# KiCad board Kristerj.kicad_pcb (continued)
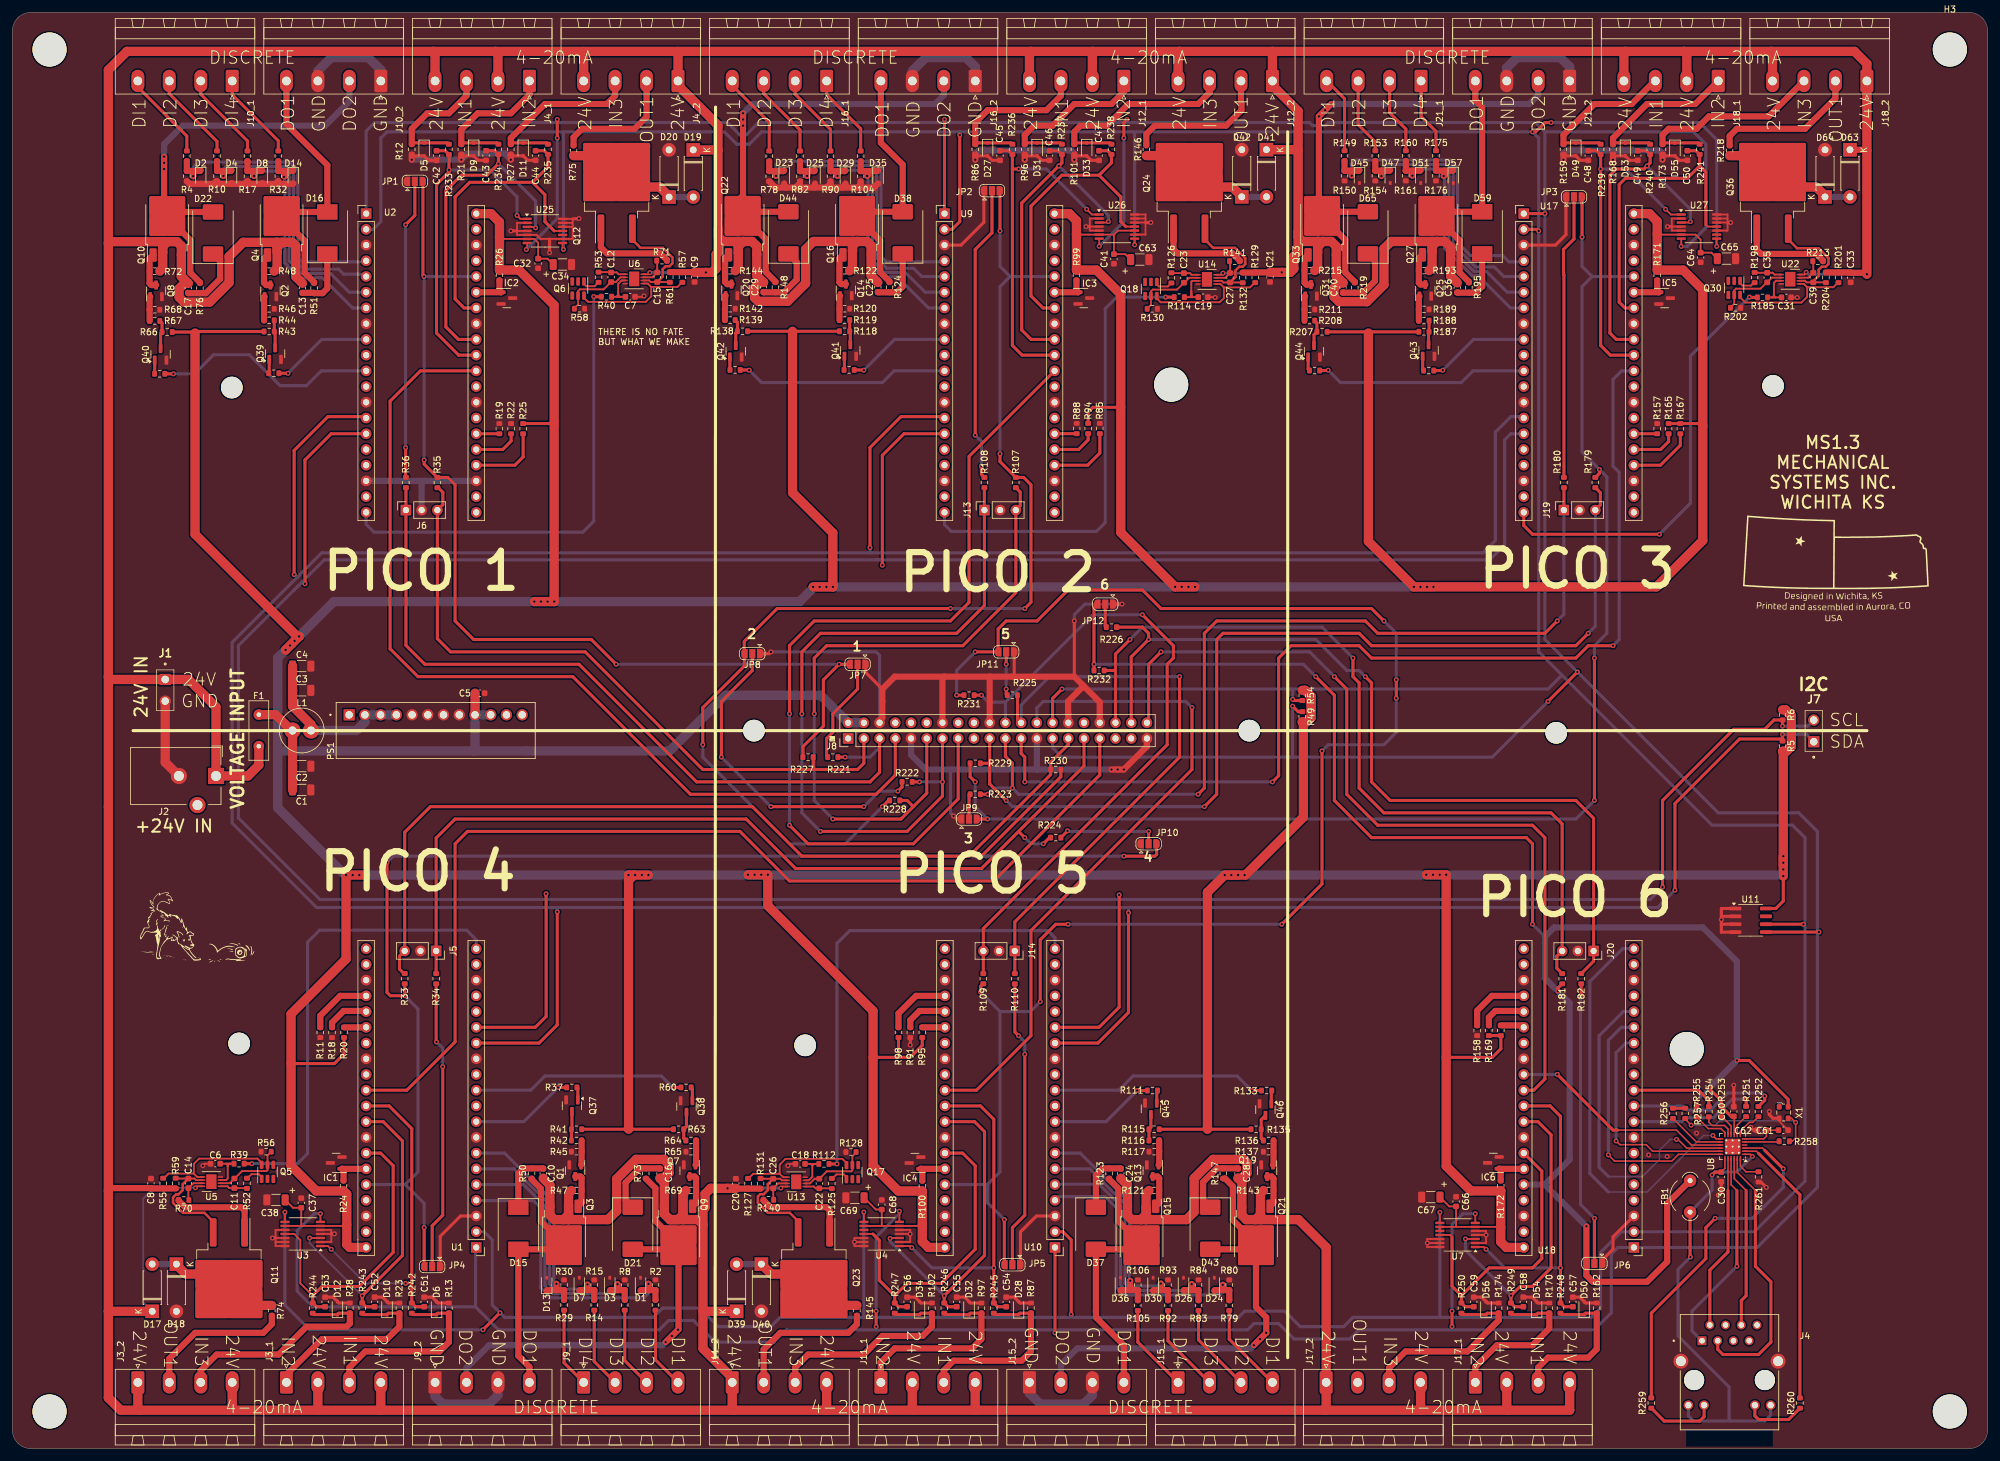
[diagram p0: board, top side]
## Routing (per net, layer and track width the routed paths; a pad name or vN(x,y) marks a point on that pad's centre or on a via; arc(x,y) is an arc through that point) (continued)
Pi5_DI_1: length 14.5
  Top w0.5: R79.1 196.52,17.68 J15_1.4
Pi5_DI_2: length 14.4
  Top w0.5: R83.1 191.56,17.56 J15_1.3
Pi5_DI_3: length 14.4
  Top w0.5: R92.1 186.63,17.41 J15_1.2
Pi5_DI_4: length 14.3
  Top w0.5: R105.1 181.76,17.2 J15_1.1
Pi5_DO1: length 41.7
  Top w1: R123.1 177.12,43.51 178.61,42.02 178.61,36.75 Q15.2 ; J15_2.4 179.5,16.7 175,21.2 175,22.2 174.99,22.21 D37.2 181.71,32.19 Q15.2
Pi5_DO3: length 73.4
  Top w1: D43.2 200.19,32.19 ; v1(200.5,16.7) v1(202.5,18.7) 202.5,21.2 200.84,22.86 Q21.2 ; R147.1 195.85,43.62 197.11,42.37 197.11,36.91 199.31,34.7 Q21.2
  Bottom w1: v1(202.5,18.7) 200,16.2 172,16.2 169.34,13.54 J15_2.2
  vias: v1(201.5,17.7)
Pi5_RST: length 109.6
  Top w0.5: v1(190.5,119.7) 190.5,109.7 164.5,83.7 164.5,66.7 155.69,57.89 U10.30
  Bottom w0.5: 165.45,117.25 165.45,119.65 166.5,120.7 189.5,120.7 v1(190.5,119.7)
Pi5_SWCLK: length 94
  Top w0.5: v1(188.5,124.7) 188.5,111.7 161.89,85.09 J14.1 161.89,76.74 R110.2 ; 162.91,117.25 162.32,117.84 R225.2
  Bottom w0.5: 162.91,117.25 162.91,120.11 167.5,124.7 v1(188.5,124.7)
Pi5_SWDIO: length 109.6
  Top w0.5: R109.1 156.81,80.38 J14.3 156.81,84.01 186.5,113.7 186.5,126.7 187.5,127.7 187.5,129.7 v1(182.5,134.7) ; R231.1 v1(156.5,121.7)
  Bottom w0.5: 160.37,120.57 160.37,117.25 ; 160.37,120.57 174.5,134.7 v1(182.5,134.7) ; 160.37,120.57 157.63,120.57 v1(156.5,121.7)
Pi6_4-20_IN1: length 54.2
  Top w0.3: U7.1 237.63,32.56 v1(238,32.2)
  Top w0.5: 244.09,55.35 248.35,55.35 250.01,53.69 v1(250.01,29.2) R248.2 250.62,22.93 C57.1
  Bottom w0.5: v1(238,32.2) 241,29.2 v1(250.01,29.2)
Pi6_4-20_IN2: length 52.4
  Top w0.3: v1(234.67,33.87) U7.3
  Top w0.5: U18.32 246.38,52.81 248.5,50.7 248.5,29.2 245.5,26.2 243.5,26.2 v1(242.01,24.71) R249.2 242.62,22.93 C58.1
  Bottom w0.5: v1(234.67,33.87) 234.67,32.06 v1(242.01,24.71)
Pi6_4-20_IN3: length 49.4
  Top w0.3: U7.11 232.19,34.51 232.5,34.2
  Top w0.5: 234.01,24.71 238.5,29.2 245.5,29.2 247,30.7 247,44.82 U18.34 ; 234.01,24.71 R250.2 234.62,22.93 C59.1 ; 234.01,24.71 232.5,26.23 232.5,34.2
Pi6_RST: length 139.9
  Top w0.5: v1(185.5,128.7) 183.5,126.7 183.5,117.52 183.23,117.25 ; U18.30 245.69,57.89 247.5,59.7 247.5,98.7 245.5,100.7 220.5,100.7 215.5,105.7 215.5,122.7 v1(213.5,124.7)
  Bottom w0.5: v1(213.5,124.7) 209.5,128.7 v1(185.5,128.7)
Pi6_SWCLK: length 140.3
  Top w0.5: R226.2 182.5,132.7 183.5,131.7 v1(183.5,130.7) 180.69,127.89 180.69,117.25 ; v1(218.5,124.7) 219.5,123.7 219.5,107.7 222.5,104.7 252.5,104.7 255.37,101.83 J20.1 255.37,78.73 R182.2
  Bottom w0.5: v1(183.5,130.7) 210.5,130.7 215.5,125.7 217.5,125.7 v1(218.5,124.7)
Pi6_SWDIO: length 136.6
  Top w0.5: 178.15,125.7 178.15,117.25 ; 178.15,125.7 178.15,128.35 v1(180.5,130.7) ; 178.15,125.7 R232.1 ; v1(216.5,127.7) 216.5,124.7 217.5,123.7 217.5,106.7 221.5,102.7 248.5,102.7 250.29,100.91 J20.3 249.44,79.53 249.43,79.53 249.43,79.53 249.43,77.6 R181.1
  Bottom w0.5: v1(216.5,127.7) 211.5,132.7 182.5,132.7 v1(180.5,130.7)
R_RXCLK: length 2
  Top w0.5: R256.2 R257.2
RX0: length 20.8
  Top w0.5: R251.2 280,55.3 v1(280,56.45)
  Bottom w0.5: U18.9 269.62,52.81 270.25,53.45 274.75,53.45 277.75,56.45 v1(280,56.45)
RX1: length 24.8
  Top w0.5: R252.2 283,56.28 v1(283,56.95)
  Bottom w0.5: 261.87,55.35 269.85,55.35 270.5,54.7 274.25,54.7 277,57.45 282.5,57.45 v1(283,56.95)
SCL-0: length 959.3
  Top w0.3: v1(275.25,194.2) U27.8 ; v1(181.25,194.45) U26.8 ; U3.8 44.02,38.18 v1(44,38.2) ; v1(89,193.7) 88.86,193.84 U25.8 ; v1(230.53,38.17) U7.8 ; U4.8 137.52,38.18 v1(137.5,38.2)
  Top w0.5: v1(246.5,196.7) 246.25,196.95 U17.2 ; v1(153,212.2) 153,198.2 151.75,196.95 U9.2 ; v1(248.5,214.2) 247.5,214.2 246,212.7 v1(245.5,212.7) ; 167.99,117.25 167.99,121.19 v1(169.5,122.7) ; v1(171,21.7) 171,33.7 169.67,35.03 U10.2 ; v1(289.25,84.7) 289.24,84.71 U11.6 ; v1(206.77,121.03) 206.96,120.84 R54.1 ; v1(76,19.2) v1(78.75,21.95)
  Bottom w0.5: 289.5,84.7 289.5,43.2 281.33,35.03 U18.2 259.83,35.03 256.5,31.7 256.5,22.7 255,21.2 230.5,21.2 ; 289.5,84.7 289.5,98.7 287.5,100.7 274.5,100.7 246.5,128.7 v1(246.5,196.7) 246.5,211.7 v1(245.5,212.7) 181,212.7 ; 289.5,84.7 v1(289.25,84.7) ; v1(44,38.2) 44,23.2 48,19.2 v1(76,19.2) ; v1(169.5,122.7) 206.5,122.7 ; 206.5,122.7 206.77,122.42 v1(206.77,121.03) 206.86,121.03 ; 206.5,122.7 248,122.7 250.25,124.95 ; v1(137.5,38.2) 137.5,21.2 ; 137.5,21.2 124,21.2 122.5,19.7 114,19.7 111,22.7 105,22.7 103.5,21.2 79.5,21.2 v1(78.75,21.95) 77.5,23.2 77.5,33.7 76.16,35.03 U1.2 ; 137.5,21.2 198,21.2 199,22.2 205.5,22.2 208,19.7 215,19.7 216.5,21.2 230.5,21.2 ; 230.5,21.2 230.53,21.23 v1(230.53,38.17) ; U2.2 58.25,196.95 59.5,198.2 59.5,211.7 60.5,212.7 89,212.7 ; v1(275.25,194.2) 275.25,211.45 272.5,214.2 v1(248.5,214.2) ; 89,212.7 115,212.7 117,210.7 119,210.7 121,212.7 153,212.7 ; 89,212.7 v1(89,193.7) ; v1(171,21.7) 171,21.2 ; v1(181.25,194.45) 181.25,212.45 181,212.7 ; 181,212.7 153,212.7 ; 153,212.7 v1(153,212.2)
SDA-0: length 983.9
  Top w0.3: v1(83,193.7) 83.14,193.84 U25.7 ; v1(175.52,194.22) U26.7 ; v1(269.5,194.2) 269.52,194.22 U27.7 ; v1(236.26,37.94) U7.7 ; v1(49.75,37.95) U3.7 ; v1(143.25,38.35) U4.7
  Top w0.5: v1(168.38,18.7) U10.1 ; v1(252.75,125.45) v1(248,120.7) ; v1(291.75,83.44) U11.5 ; v1(139.5,22.2) v1(139.5,19.7) ; R49.1 207.65,119.04 v1(206.76,119.93) ; U9.1 v1(150.54,214.7) ; 244.08,198.88 U17.1 v1(247.5,199.5) ; v1(88,211.7) v1(88,214.7) ; v1(179.5,211.7) 179.5,214.2 v1(180,214.7) ; v1(232.5,22.2) v1(232.5,19.7)
  Bottom w0.5: v1(88,211.7) 88,198.7 v1(83,193.7) ; 139.5,19.2 125,19.2 123,17.2 113.5,17.2 110,20.7 106,20.7 104.5,19.2 78.5,19.2 74.8,22.9 ; 139.5,19.2 v1(139.5,19.7) ; 139.5,19.2 168.5,19.2 ; 247.5,199.7 247.5,212.7 ; 247.5,199.7 v1(247.5,199.5) ; 247.5,199.7 247.5,130.7 v1(252.75,125.45) 275.5,102.7 288.5,102.7 291.5,99.7 291.5,83.45 ; v1(179.5,211.7) 179.5,198.2 v1(175.52,194.22) ; U1.1 74.8,32.38 74.8,22.9 ; 74.8,22.9 48.5,22.9 46,25.4 46,35.2 48.75,37.95 v1(49.75,37.95) ; v1(236.26,37.94) 234.24,37.94 232.5,36.2 v1(232.5,22.2) ; 247.5,212.7 246,214.2 212.5,214.2 212,213.7 210,213.7 209.5,214.2 180,214.2 ; 247.5,212.7 271.5,212.7 273.5,210.7 273.5,197.2 270.5,194.2 v1(269.5,194.2) ; 180,214.2 150.5,214.2 ; 180,214.2 v1(180,214.7) ; 150.5,214.2 150.5,214.66 v1(150.54,214.7) ; 150.5,214.2 120.5,214.2 118.5,212.2 117.5,212.2 115.5,214.2 88,214.2 ; J8.27 167.99,113.21 169.5,111.7 206.76,111.7 ; 88,214.2 58.51,214.2 57.13,212.82 U2.1 ; 88,214.2 v1(88,214.7) ; 206.76,111.7 239,111.7 v1(248,120.7) ; 206.76,111.7 v1(206.76,119.93) ; v1(143.25,38.35) 143.25,37.95 139.5,34.2 v1(139.5,22.2) ; 232.5,19.2 255.5,19.2 258.23,21.93 258.23,31.43 259.3,32.5 U18.1 281.8,32.5 291.5,42.2 291.5,83.45 ; 232.5,19.2 v1(232.5,19.7) ; 232.5,19.2 217.5,19.2 216,17.7 207,17.7 204.5,20.2 200.5,20.2 199.5,19.2 168.5,19.2 ; 168.5,19.2 168.5,18.81 v1(168.38,18.7) ; 291.5,83.45 291.74,83.45 v1(291.75,83.44)
TX0: length 35.3
  Top w0.25: v1(259,49.7) 259.6,49.1 263.85,49.1 264.91,48.04 U8.17
  Bottom w0.5: v1(259,49.7) 259,63.95 260.56,65.51 U18.14
TX1: length 42.5
  Top w0.25: v1(257.75,47.45) 258.75,46.45 268,46.45 269.09,47.54 U8.18
  Bottom w0.5: U18.15 259.86,68.05 257.75,65.95 v1(257.75,47.45)
TX_EN: length 52.7
  Top w0.25: v1(268.75,49.95) 269,49.95 270.41,48.54 U8.16
  Bottom w0.25: 257.75,43.95 263.25,43.95 266,46.7 266,48.2 267.75,49.95 v1(268.75,49.95)
  Bottom w0.5: 257.75,43.95 256.25,45.45 256.25,66.7 260.14,70.59 U18.16
Net-(C1-Pad2): length 16.1
  Top w1.5: F1.2 42.5,118.56 45.06,116 L1.1 ; 45.25,115.97 C2.2 C1.2
Net-(C3-Pad2): length 27.1
  Top w1.5: L1.2 48.22,116.96 45.25,119.94 C3.2 C4.2
  Bottom w1.5: L1.2 55.56,116 56.93,117.37 PS1.2 PS1.3 PS1.4
Net-(C11-Pad1): length 4.4
  Top w0.3: U5.1 34.74,42.38 35.03,42.08 C11.1 37.84,42.08 R52.2
Net-(C12-Pad1): length 4.4
  Top w0.3: R53.2 96.65,190.04 C12.1 97.62,190 97.91,189.7 U6.1
Net-(C14-Pad2): length 4.5
  Top w0.3: 28.5,40.16 28.42,40.24 C14.2 28.45,42.08 29.25,42.88 U5.7
Net-(C15-Pad2): length 4.5
  Top w0.3: R71.2 104.13,191.82 C15.2 104.11,190 103.31,189.2 U6.7
Net-(C22-Pad1): length 4.4
  Top w0.3: R125.2 132.29,42.05 C22.1 129.71,42.05 129.42,42.34 U13.1
Net-(C23-Pad1): length 4.4
  Top w0.3: U14.1 190.4,189.62 190.14,189.88 C23.1 187.24,189.88 R126.2
Net-(C26-Pad2): length 4.5
  Top w0.3: R140.2 122.88,40.26 C26.2 122.88,42.05 123.68,42.84 U13.7
Net-(C27-Pad2): length 4.5
  Top w0.3: U14.7 195.85,189.12 C27.2 196.64,191.75 R141.2
Net-(C35-Pad1): length 4.5
  Top w0.3: R198.2 281.42,189.94 C35.1 284.29,189.94 284.58,189.65 U22.1
Net-(C39-Pad2): length 4.5
  Top w0.3: R213.2 290.84,191.74 C39.2 290.05,189.15 U22.7
Net-(D5-K): length 22.1
  Top w0.5: R233.1 70.28,210.92 D5.1 64.72,210.92 R12.2
  Top w1: J4_1.3 73.34,218.54 70.5,215.7 67,215.7 64.5,213.2 R12.2
Net-(D6-K): length 31.4
  Top w0.5: R242.1 64.72,21.65 D6.1 68.72,21.88 R13.2 70.28,21.65
  Top w1: R13.2 70.5,17.2 69,15.7 57,15.7 54.42,13.12 J3_1.3
Net-(D9-K): length 24.1
  Top w0.5: R234.1 78.28,210.92 D9.1 72.72,210.92 R21.2
  Top w1: J4_1.1 83.5,218.7 80.5,215.7 75.15,215.7 72.5,213.05 R21.2
Net-(D10-K): length 31.1
  Top w0.5: R23.2 60.72,21.88 D10.1 56.72,21.65 R243.1
  Top w1: R23.2 62.5,19.7 60.5,17.7 50,17.7 44.26,11.96 J3_1.1
Net-(D11-K): length 29.2
  Top w0.5: R235.1 86.28,210.92 D11.1 80.72,210.92 R27.2
  Top w1: J4_2.3 97.34,218.54 96,217.2 86,217.2 80.5,211.7 R27.2
Net-(D12-K): length 37
  Top w0.5: R28.2 52.72,21.88 D12.1 48.72,21.65 R244.1
  Top w1: J3_2.3 30.42,12.62 33,15.2 43,15.2 47.5,19.7 54,19.7 54.5,20.2 R28.2
Net-(D15-K): length 9.8
  Top w1: C10.1 85.68,45.27 R50.2 82.54,45.27 81.71,44.44 81.71,39
Net-(D16-K): length 9.9
  Top w1: C13.1 48.68,186.69 48.72,186.64 50.09,186.64 50.86,187.42 D16.1
Net-(D17-A): length 14.6
  Top w1.5: R74.1 37.97,23.13 Q11.2 ; D18.1 26.49,29.7 27.99,28.2 Q11.2
  Bottom w1: D18.1 D17.2
Net-(D19-A): length 14.6
  Top w1: 102.52,210.39 102.51,210.38
  Top w1.5: D20.1 106.06,202.27 104.54,203.78 100.36,203.78 ; Q12.2 94.59,208.85 R75.1
  Bottom w1: D20.1 109.96,202.17 D19.2
Net-(D21-K): length 11
  Top w1: 100.19,39 99.03,40.14 99.03,42.96 101.34,45.27 R73.2 104.54,45.27 C16.1
Net-(D22-K): length 10.6
  Top w1: C17.1 28.44,186.64 R76.2 31.24,186.64 33.55,188.95 33.55,191.81 D22.1
Net-(D27-K): length 27.7
  Top w0.5: R86.2 155.73,210.92 D27.1 161.27,210.92 R236.1
  Top w1: R86.2 155.5,214.2 157.5,216.2 167,216.2 169.34,218.54 J12_1.3
Net-(D28-K): length 29.6
  Top w0.5: R245.1 158.73,21.65 D28.1 162.73,21.88 R87.2
  Top w1: J11_1.3 150.42,12.62 152,14.2 163,14.2 164.5,15.7 R87.2
Net-(D31-K): length 28.3
  Top w0.5: R237.1 169.27,210.92 D31.1 163.73,210.92 R96.2
  Top w1: R96.2 163.5,212.2 165,213.7 168,213.7 171.5,217.2 177.5,217.2 179.5,219.2 J12_1.1
Net-(D32-K): length 31.4
  Top w0.5: R246.1 150.73,21.65 D32.1 154.73,21.88 R97.2
  Top w1: J11_1.1 140.26,13.96 142.5,16.2 155,16.2 156.5,17.7 R97.2
Net-(D33-K): length 34.5
  Top w0.5: R101.2 171.73,210.92 D33.1 177.27,210.92 R238.1
  Top w1: R101.2 171.5,212.7 172.5,213.7 176.75,213.7 180.25,217.2 191.5,217.2 193.34,219.04 J12_2.3
Net-(D34-K): length 35.6
  Top w0.5: R247.1 142.73,21.65 D34.1 146.73,21.88 R102.2
  Top w1: J11_2.3 126.42,13.12 128.5,15.2 137.5,15.2 140.5,18.2 147,18.2 148.5,19.7 R102.2
Net-(D37-K): length 9.7
  Top w1: C24.1 178.95,45.27 R123.2 176.05,45.27 174.99,44.21 174.99,39
Net-(D38-K): length 9.7
  Top w1: C25.1 139.82,186.78 R124.2 142.86,186.78 143.79,187.71 143.79,193
Net-(D39-A): length 14.6
  Top w1.5: Q23.2 122.56,28.2 D40.1 ; R145.1 132.44,23.13 Q23.2
  Bottom w1: D39.2 D40.1
Net-(D41-A): length 14.6
  Top w1.5: 192.85,203.78 197.01,203.78 198.55,202.25 D42.1 ; Q24.2 187.06,208.87 183.13,208.87
  Bottom w1: D42.1 D41.2
Net-(D43-K): length 11.1
  Top w1: C28.1 197.89,45.27 R147.2 194.51,45.27 192.3,43.06 192.3,40.14 193.45,39
Net-(D44-K): length 10.9
  Top w1: 125.33,193 126.66,191.66 126.66,188.83 124.61,186.78 R148.2 121.36,186.78 C29.1
Net-(D49-K): length 26.1
  Top w0.5: R239.1 256.27,210.92 D49.1 250.73,210.92 R159.2
  Top w1: J18_1.3 265.22,220.92 261.5,217.2 255.5,217.2 250.5,212.2 R159.2
Net-(D50-K): length 24.9
  Top w0.5: R248.1 250.24,21.65 D50.1 254.07,21.88 R162.2
  Top w1: J17_1.3 246.42,13.12 248,14.7 254.5,14.7 255.88,16.07 R162.2
Net-(D53-K): length 28
  Top w0.5: R168.2 258.73,210.92 D53.1 264.27,210.92 R240.1
  Top w1: J18_1.1 271.78,217.2 264,217.2 258.5,211.7 R168.2
Net-(D54-K): length 25.9
  Top w0.5: R170.2 246.39,21.88 D54.1 242.24,21.65 R249.1
  Top w1: J17_1.1 236.26,13.21 239.75,16.7 245.5,16.7 248.21,19.41 R170.2
Net-(D55-K): length 34.1
  Top w0.5: R173.2 266.73,210.92 D55.1 272.27,210.92 R241.1
  Top w1: J18_2.3 283.62,215.2 274,215.2 272,213.2 267.5,213.2 266.5,212.2 R173.2
Net-(D56-K): length 30.6
  Top w0.5: R174.2 238.21,21.88 D56.1 234.24,21.65 R250.1
  Top w1: R174.2 240.03,20.73 235,15.7 225,15.7 222.34,13.04 J17_2.3
Net-(D59-K): length 9.7
  Top w1: C36.1 233.4,186.71 236.37,186.71 237.37,187.72 237.37,193
Net-(D63-A): length 14.7
  Top w1.5: 287.04,203.78 291.33,203.78 292.74,202.38 D64.1 ; Q36.2 281.27,208.85 R218.1
  Bottom w1: D64.1 D63.2
Net-(D65-K): length 10.8
  Top w1: C40.1 214.95,186.71 218.15,186.71 220.06,188.62 220.06,191.84 218.92,193
Net-(J4-PadP10): length 11.5
  Top w0.5: R259.1 266.77,4.45 272.5,4.45 273.21,5.16 J4.P10
Net-(J4-PadP11): length 10
  Top w0.5: R260.1 286.86,4.7 282,4.7 281.41,5.29 J4.P11
Net-(JP1-C): length 48.5
  Top w0.5: v1(63.5,161.7) 63.5,156.94 R36.1 ; v1(63.5,197.7) 65,199.2 JP1.2
  Bottom w0.5: v1(63.5,197.7) v1(63.5,161.7)
Net-(JP2-C): length 48.1
  Top w0.5: v1(155.5,163.7) 155.5,193.7 158.2,196.4 JP2.2 ; R108.1 156.5,157.36 v1(156.5,158.7)
  Bottom w0.5: v1(156.5,158.7) 156.5,162.7 v1(155.5,163.7)
Net-(JP3-C): length 46.6
  Top w0.5: 252.2,202.7 252.2,195.4 250.5,193.7 250.5,189.7 250.57,189.62 R180.1
Net-(JP4-C): length 46.8
  Top w0.5: v1(68.5,65.7) 68.44,65.76 68.44,75.08 ; v1(69.5,61.7) 69.5,37.7 67.8,36 JP4.2
  Bottom w0.5: v1(68.5,65.7) 69.5,64.7 v1(69.5,61.7)
Net-(JP5-C): length 46.9
  Top w0.5: 161.89,75.08 161.89,67.3 v1(162.5,66.7) ; JP5.2 161.5,35.7 163.5,37.7 v1(163.5,63.7)
  Bottom w0.5: v1(163.5,63.7) 163.5,65.7 v1(162.5,66.7)
Net-(JP6-C): length 46.1
  Top w0.5: 253.37,75.08 253.37,73.31 v1(253.25,73.2) ; v1(255.5,37.2) JP6.2
  Bottom w0.5: v1(255.5,37.2) 253.25,39.45 v1(253.25,73.2)
Net-(JP7-C): length 17.1
  Top w0.5: JP7.2 136.5,122.7 132.5,118.7 132.5,115.7 131.5,114.7 131.5,111.88 R221.1
Net-(JP8-C): length 53.4
  Top w0.5: JP8.2 119.5,125.7 114.5,120.7 v1(114.5,111.7) ; v1(143,106.2) 143.68,106.88 R222.1 ; v1(137.5,103.7) v1(122.5,103.7)
  Bottom w0.5: v1(143,106.2) 140,106.2 v1(137.5,103.7) ; v1(122.5,103.7) v1(114.5,111.7)
Net-(JP9-C): length 4.1
  Top w0.5: JP9.2 154.5,105.52 R223.1
Net-(JP10-C): length 16.7
  Top w0.5: v1(170.41,99.79) R224.1 ; JP10.2 v1(183.5,99.7)
  Bottom w0.5: v1(170.41,99.79) 170.5,99.7 v1(183.5,99.7)
Net-(JP11-C): length 7.1
  Top w0.5: JP11.2 v1(160.5,126.7) ; R225.1 160.5,121.88 v1(160.5,122.7)
  Bottom w0.5: v1(160.5,126.7) v1(160.5,122.7)
Net-(JP12-C): length 3.8
  Top w0.5: R226.1 176.5,132.88 JP12.2
Net-(Q1-D): length 6
  Top w1: Q3.1 91.94,39.71 R47.1 91.94,43.75 91.73,43.95 Q1.3
Net-(Q1-G): length 4
  Top w1: Q1.1 91.94,45.93 R45.2 R42.1
Net-(Q2-D): length 5.9
  Top w1: Q4.1 40.63,192.25 R48.1 40.63,188.34 41.01,187.96 Q2.3
Net-(Q2-G): length 3.9
  Top w1: Q2.1 40.65,186 R46.2 R44.1
Net-(Q5A-D): length 20.4
  Top w0.3: R55.1 24.45,43.68 25.2,44.43 29.31,44.43 ; U5.5 29.86,43.88 29.31,44.43 ; Q5.6 40.25,46.18 39.58,46.85 30.15,46.85 29.31,46.01 29.31,44.43
Net-(Q5A-G): length 3.1
  Top w0.3: Q5.1 40.25,43.87 39.79,44.33 38.62,44.33 37.97,43.68 R52.1
Net-(Q5A-S): length 11.7
  Top w0.3: R56.2 41.2,47.37 Q5.5 41.2,44.98 41.05,44.83 37.09,44.83 35.89,43.63 C11.2 35.1,42.88 U5.2
Net-(Q6A-D): length 20.3
  Top w0.3: Q6.6 92.31,185.88 92.97,185.23 102.28,185.23 103.18,186.13 103.18,187.64 ; U6.5 102.62,188.2 103.18,187.64 ; 103.18,187.64 107.41,187.64 108.16,188.39 R57.1
Net-(Q6A-G): length 3.2
  Top w0.3: Q6.1 92.31,188.13 92.68,187.77 94.02,187.77 94.65,188.39 R53.1
Net-(Q6A-S): length 11.6
  Top w0.3: R58.2 90.76,184.2 91.37,184.81 Q6.5 91.37,186.97 91.66,187.27 95.49,187.27 96.67,188.44 C12.2 97.45,188.44 98.2,189.2 U6.2
Net-(Q7-D): length 5.9
  Top w1: Q7.3 110.19,43.95 110.42,43.71 R69.1 110.42,39.71 Q9.1
Net-(Q7-G): length 4
  Top w1: R64.1 R65.2 110.42,45.92 Q7.1
Net-(Q8-G): length 4
  Top w1: Q8.1 22.16,185.99 R68.2 22.16,183.96 22.16,182.16
Net-(Q10-G): length 6
  Top w1: Q10.1 22.16,192.25 R72.1 22.16,188.25 22.46,187.96 Q8.3
Net-(Q11-G): length 15
  Top w1: R70.1 26.84,40.06 27.92,38.99 36.98,38.99 37.51,38.45 Q11.1
Net-(Q11-S): length 19.1
  Top w0.3: R59.1 26.43,43.63 C14.1 29.4,43.63 29.66,43.38 U5.6
  Top w0.4: C14.1 27.52,42.73 27.52,41.77 26.81,41.06 26.42,41.06 25.94,40.58 25.94,39.68 27.54,38.08 31,38.08 32.43,36.66 Q11.3
Net-(Q12-G): length 14.6
  Top w1: R71.1 105.71,191.99 104.63,193.07 96.02,193.07 95.04,194.04 95.04,197.06
Net-(Q12-S): length 19.2
  Top w0.3: R61.1 106.13,188.44 C15.1 103.09,188.44 102.83,188.7 U6.6
  Top w0.4: Q12.3 100.12,195.28 101.44,193.97 105.03,193.97 106.61,192.39 106.61,191.47 106.13,191 105.5,191 105.03,190.51 105.03,189.33 C15.1
Net-(Q13-D): length 5.9
  Top w1: Q13.3 184.95,43.95 185.21,43.69 R121.1 185.21,39.71 Q15.1
Net-(Q13-G): length 4
  Top w1: Q13.1 185.21,45.92 R117.2 R116.1
Net-(Q14-D): length 5.8
  Top w1: Q16.1 133.56,192.28 R122.1 133.56,188.4 133.86,188.11 Q14.3
Net-(Q14-G): length 4
  Top w1: Q14.1 133.57,186.15 R120.2 R119.1
Net-(Q17A-D): length 20.1
  Top w0.3: Q17.6 134.7,46.14 134.04,46.81 124.86,46.81 123.92,45.87 123.92,44.39 ; R127.1 118.88,43.64 119.63,44.39 123.92,44.39 ; 123.92,44.39 124.48,43.84 U13.5
Net-(Q17A-G): length 3.1
  Top w0.3: Q17.1 134.7,43.87 134.28,44.29 133.08,44.29 132.44,43.64 R125.1
Net-(Q17A-S): length 11.7
  Top w0.3: U13.2 128.81,42.84 129.56,43.59 C22.2 130.33,43.59 131.52,44.79 135.49,44.79 135.65,44.96 Q17.5 135.65,47.22 136.26,47.83 R128.2
Net-(Q18A-D): length 20.4
  Top w0.3: 195.65,187.57 195.65,185.85 194.98,185.17 185.45,185.17 184.82,185.8 Q18.6 ; 195.65,187.57 195.1,188.12 U14.5 ; 195.65,187.57 199.88,187.57 200.66,188.34 R129.1
Net-(Q18A-G): length 3.1
  Top w0.3: Q18.1 184.82,188.06 185.16,187.72 186.62,187.72 R126.1
Net-(Q18A-S): length 11.6
  Top w0.3: U14.2 190.06,189.12 189.27,188.33 189.2,188.33 188.1,187.22 184.18,187.22 183.88,186.92 Q18.5 183.88,184.76 183.27,184.16 R130.2
Net-(Q19-D): length 5.9
  Top w1: Q21.1 203.69,39.71 R143.1 203.69,43.64 203.38,43.95 Q19.3
Net-(Q19-G): length 4
  Top w1: R136.1 R137.2 203.69,45.92 Q19.1
Net-(Q20-D): length 5.8
  Top w1: Q22.1 115.09,192.28 R144.1 115.09,188.47 115.45,188.11 Q20.3
Net-(Q20-G): length 4
  Top w1: Q20.1 115.09,186.14 R142.2 115.08,184.12 R139.1
Net-(Q23-G): length 15
  Top w1: Q23.1 131.99,38.5 131.48,39 122.39,39 121.3,40.09 R140.1
Net-(Q23-S): length 19.2
  Top w0.3: U13.6 124.27,43.34 124.01,43.59 C26.1 120.88,43.59 R131.1
  Top w0.4: C26.1 122,42.72 122,41.76 121.33,41.09 120.76,41.09 120.4,40.73 120.4,39.72 122.03,38.09 125.54,38.09 126.9,36.72 Q23.3
Net-(Q24-G): length 14.9
  Top w1: Q24.1 187.53,193.72 188.19,193.06 197.07,193.06 198.22,191.92 R141.1
Net-(Q24-S): length 19.2
  Top w0.3: U14.6 195.31,188.62 195.56,188.37 C27.1 198.64,188.37 R132.1
  Top w0.4: C27.1 197.52,189.25 197.52,190.3 198.14,190.92 198.69,190.92 199.12,191.34 199.12,192.29 197.45,193.96 193.92,193.96 192.61,195.27 Q24.3
Net-(Q25-D): length 5.9
  Top w1: Q27.1 227.14,192.28 227.14,188.32 227.43,188.04 Q25.3
Net-(Q25-G): length 4
  Top w1: Q25.1 227.14,186.07 227.14,182.21
Net-(Q30A-D): length 20.4
  Top w0.3: R201.1 294.82,188.34 294.07,187.59 289.86,187.59 ; 289.86,187.59 289.86,186.06 288.94,185.13 279.86,185.13 279.02,185.97 Q30.6 ; 289.86,187.59 289.3,188.15 U22.5
Net-(Q30A-G): length 3.1
  Top w0.3: Q30.1 279.02,188.23 279.38,187.87 280.8,187.87 281.27,188.34 R198.1
Net-(Q30A-S): length 11.5
  Top w0.3: R202.2 277.47,184.33 278.07,184.94 Q30.5 278.07,187.08 278.36,187.37 282.31,187.37 283.34,188.39 C35.2 284.15,189.15 U22.2
Net-(Q31-D): length 5.9
  Top w1: Q33.1 208.68,192.28 R215.1 208.68,188.35 209,188.04 Q31.3
Net-(Q31-G): length 4
  Top w1: Q31.1 208.68,186.07 R211.2 R208.1
Net-(Q36-G): length 14.9
  Top w1: 292.42,191.81 292.42,191.91 291.34,192.99 282.38,192.99 281.73,193.65 Q36.1
Net-(Q36-S): length 19.2
  Top w0.3: R204.1 292.84,188.39 C39.1 289.76,188.39 289.51,188.65 U22.6
  Top w0.4: Q36.3 286.81,195.32 288.23,193.9 291.7,193.9 293.31,192.29 293.31,191.39 292.84,190.91 292.2,190.91 291.71,190.43 291.71,189.46 290.84,188.59 C39.1
Net-(Q37-B): length 2.1
  Top w0.5: Q37.1 91.32,58.2 R37.2
Net-(Q37-C): length 4.7
  Top w0.5: Q37.3 90.37,51.67 90.28,51.59 90.28,49.77
Net-(Q38-B): length 2.2
  Top w0.5: Q38.1 109.82,58.15 R60.2
Net-(Q38-C): length 4.9
  Top w0.5: Q38.3 108.87,52.04 R63.1 108.42,50.12 R64.2
Net-(Q39-B): length 2.3
  Top w0.5: R38.2 41.48,173.79 Q39.1
Net-(Q39-C): length 4.5
  Top w0.5: Q39.3 42.43,180.31 R43.1 R44.2
Net-(Q40-B): length 2.2
  Top w0.5: R62.2 22.98,173.63 Q40.1
Net-(Q40-C): length 4.7
  Top w0.5: R67.2 24.16,181.81 24.16,180.36 23.93,180.13 Q40.3
Net-(Q41-B): length 2.2
  Top w0.5: Q41.1 134.37,174.3 R113.2
Net-(Q41-C): length 4
  Top w0.5: R119.2 R118.1 135.32,180.39 Q41.3
Net-(Q42-B): length 2.1
  Top w0.5: R134.2 115.87,174.26 Q42.1
Net-(Q42-C): length 4.4
  Top w0.5: Q42.3 116.82,180.22 R138.1 117.09,181.94 R139.2
Net-(Q43-B): length 2.4
  Top w0.5: Q43.1 227.76,174.29 R183.2
Net-(Q43-C): length 3.9
  Top w0.5: Q43.3 228.71,180.32 R187.1 R188.2
Net-(Q44-B): length 2.3
  Top w0.5: Q44.1 209.26,174.36 R205.2
Net-(Q44-C): length 4.4
  Top w0.5: R208.2 210.68,181.86 R207.1 210.21,179.93 Q44.3
Net-(Q45-B): length 2.1
  Top w0.5: Q45.1 184.82,57.72 R111.2
Net-(Q45-C): length 4.3
  Top w0.5: Q45.3 183.87,51.9 R115.1 R116.2
Net-(Q46-B): length 2.2
  Top w0.5: Q46.1 203.32,57.78 R133.2
Net-(Q46-C): length 4.5
  Top w0.5: Q46.3 201.69,53.14 R135.1 201.69,50.12 R136.2
Net-(U1-GP18): length 10.6
  Top w1: U1.24 52.94,73.13 49.72,69.92 R11.2
Net-(U1-GP19): length 7.1
  Top w1: R18.2 51.62,68.82 53.5,70.7 57.03,70.7 U1.25
Net-(U1-GP20): length 3.6
  Top w1: R20.1 57.12,68.05 U1.26
Net-(U2-GP18): length 11.9
  Top w0.5: U2.24 81.16,158.85 82.5,160.2 82.49,160.21 R25.1
Net-(U2-GP19): length 7.4
  Top w0.5: U2.25 79.19,161.39 80.54,162.74 R22.2
Net-(U2-GP20): length 3.7
  Top w0.5: U2.26 R19.2
Net-(U5A-+): length 7.8
  Top w0.3: 34.78,45.6 34.78,43.62 34.53,43.38 U5.3 34.38,43.38 ; 34.78,45.6 34.78,46.02 ; 34.78,45.6 34.78,45.79 ; 34.78,46.02 35.21,46.02 ; 34.78,46.02 34.54,46.02 ; 35.21,46.02 35.78,46.02 ; 35.21,46.02 35.01,46.02 34.78,45.79 ; 34.78,45.79 34.54,46.02 ; 34.54,46.02 C6.1
Net-(U6A-+): length 7.3
  Top w0.3: U6.3 98.41,188.7 97.84,188.12 97.84,186.73 ; 97.84,186.73 97.84,186.34 97.56,186.06 ; 97.84,186.73 97.84,186.32 98.09,186.06 ; 97.84,186.73 97.84,186.06 ; 98.09,186.06 97.84,186.06 ; 98.09,186.06 C7.1 ; 97.84,186.06 97.56,186.06 ; R40.1 96.78,186.06 97.56,186.06
Net-(U8-CRS_DV/MODE2): length 5.3
  Top w0.25: U8.11 277.07,51.63 276.5,52.2 274.5,52.2 273.99,52.71 R254.1
Net-(U8-LED1/REGOFF): length 57
  Top w0.25: U8.3 282.66,48.54 283,48.2
  Top w0.5: v1(286,45.2) 283,48.2 ; v1(275,37.2) 273.5,35.7 273.5,30.7 264.69,21.88 R259.2
  Bottom w0.5: v1(286,45.2) 286,42.2 281,37.2 v1(275,37.2)
Net-(U8-LED2/~{INTSEL}): length 44.7
  Top w0.25: U8.2 281.66,48.04 282,47.7
  Top w0.5: R260.2 288.69,41.01 282,47.7
Net-(U8-MDIO): length 6
  Top w0.25: U8.12 276.57,51.06 275.93,51.7 273.88,51.7 R255.1
Net-(U8-RBIAS): length 4.5
  Top w0.25: R261.2 279.98,44.72 279.07,45.63 U8.24
Net-(U8-RXD0/MODE0): length 3.5
  Top w0.25: R251.1 279.93,53.63 278.57,52.27 U8.8
Net-(U8-RXD1/MODE1): length 4.4
  Top w0.25: U8.7 279.07,51.27 280.5,52.7 281.06,52.7 R252.1
Net-(U8-RXER/PHYAD0): length 3.6
  Top w0.25: R253.1 276.09,53.61 277.57,52.13 U8.10
Net-(U8-RXN): length 28
  Top w0.25: 280,41.7 278.07,43.63 U8.22
  Top w0.5: J4.P6 279.22,23.92 280,24.7 280,41.7
Net-(U8-RXP): length 43.1
  Top w0.25: 281.5,41.7 278.57,44.63 U8.23
  Top w0.5: 281.5,41.7 281.5,29.45 284,26.95 284,17.2 282,15.2 276.25,15.2 275.41,16.04 J4.P3
Net-(U8-TXN): length 28.1
  Top w0.25: U8.20 277.07,41.7
  Top w0.5: J4.P2 274.14,28.84 277.07,31.77 277.07,41.7
Net-(U8-TXP): length 33.5
  Top w0.25: U8.21 277.57,42.63 278.5,41.7
  Top w0.5: 278.5,41.7 v1(278.5,29.45)
  Bottom w0.5: J4.P1 271.25,19.04 271.25,22.2 v1(278.5,29.45)
Net-(U8-VDDCR): length 6.6
  Top w0.25: C61.1 285.22,51.43 C62.2 283.28,50.48 282.84,50.04 U8.6
Net-(U9-GP18): length 11.3
  Top w0.5: R85.2 175.62,160.82 173.65,158.85 U9.24
Net-(U9-GP19): length 7.1
  Top w0.5: R94.1 173.74,162.94 172.19,161.39 U9.25
Net-(U9-GP20): length 3.6
  Top w0.5: U9.26 168.33,163.95 R88.2
Net-(U10-GP18): length 10.9
  Top w1: U10.24 145.94,73.13 143.11,70.31 R98.1
Net-(U10-GP19): length 7.4
  Top w1: U10.25 150.5,70.7 146.5,70.7 145.01,69.21 R91.2
Net-(U10-GP20): length 3.7
  Top w1: R95.1 U10.26
Net-(U13A-+): length 6.7
  Top w0.3: 129.62,45.99 R112.1 ; 129.62,45.99 129.19,45.99 ; 129.62,45.99 129.44,45.99 129.19,45.73 ; 128.81,45.99 128.94,45.99 129.19,45.73 ; 128.81,45.99 C18.1 ; 128.81,45.99 129.19,45.99 ; U13.3 128.6,43.34 129.19,43.93 129.19,45.73 ; 129.19,45.73 129.19,45.99
Net-(U14A-+): length 7.6
  Top w0.3: 190.4,186.95 190.4,188.48 190.55,188.62 U14.3 ; 190.4,186.95 190.4,186.63 ; 190.4,186.95 190.4,186.22 190.62,186 ; 190.4,186.63 190.4,186.24 190.16,186 ; 190.4,186.63 190.4,186 190.4,186 ; R114.1 190.16,186 ; 190.16,186 190.4,186 ; 190.62,186 C19.1 ; 190.62,186 190.4,186
Net-(U17-GP18): length 10.7
  Top w0.5: U17.24 266.15,158.85 269.38,162.07 R167.1
Net-(U17-GP19): length 7.4
  Top w0.5: U17.25 266.19,161.39 267.49,162.69 R165.1
Net-(U17-GP20): length 3.8
  Top w0.5: R157.2 U17.26
Net-(U18-GP18): length 10.9
  Top w1: R158.2 236.56,70.75 238.94,73.13 U18.24
Net-(U18-GP19): length 7.4
  Top w1: R169.1 238.45,69.66 239.5,70.7 243.99,70.7 U18.25
Net-(U18-GP20): length 3.8
  Top w1: U18.26 243.77,68.37 R166.1
Net-(U22A-+): length 6.9
  Top w0.3: 284.12,185.96 284.22,185.96 284.49,186.22 ; 284.12,185.96 R185.1 ; 284.12,185.96 284.49,185.96 ; U22.3 284.82,188.65 284.49,188.31 284.49,186.38 ; 284.49,186.38 284.49,186.22 ; 284.49,186.38 284.49,185.96 ; 284.49,186.22 284.75,185.96 ; 284.75,185.96 284.49,185.96 ; 284.75,185.96 C31.1
Net-(X1-OUT): length 24
  Top w0.25: R258.2 287.45,49.65 288,50.2 v1(288,52.7) 287.33,53.37 X1.3 ; v1(271.12,52.25) 270.17,53.2 R257.1
  Bottom w0.25: v1(288,52.7) 287.75,52.95 275.75,52.95 275.05,52.25 v1(271.12,52.25)
unconnected-(J2-Pad3): length 0.4
  Top w1.5: 29.63,103.7 J2.3

## Copper pours and planes (outline as drawn; the poured copper is in the pictures)
+5V on Bottom: 53.1,93.82 53.1,91.98 53.08,91.43 58.25,91.45 58.27,93.83
GND on Top: 320.5,-1.3 -1.5,-1.3 -1.5,232.7 320.5,232.7
GND on Bottom: 320.5,-1.3 -1.5,-1.3 -1.5,232.7 320.5,232.7

## Text on the board
B.Silkscreen: 24V | OUT1 | IN3 | IN2 | IN1 | GND | DO2 | DO1 | DI4 | DI3 | DI2 | DI1 | DISCRETE | 4-20mA | SCL | SDA | VOLTAGE INPUT | I2C
F.Silkscreen: + | THERE IS NO FATE / BUT WHAT WE MAKE | 2 | 1 | 3 | 5 | 6 | 4 | 24V | OUT1 | IN3 | IN2 | IN1 | GND | DO2 | DO1 | DI4 | DI3 | DI2 | DI1 | DISCRETE | 4-20mA | SCL | SDA | MS1.3 / MECHANICAL / SYSTEMS INC. / WICHITA KS | I2C | VOLTAGE INPUT | PICO 4 | PICO 1 | PICO 5 | PICO 2 | PICO 6 | PICO 3
